# Altium PCB BW1097.PcbDoc (part 1 of 7) (continued)
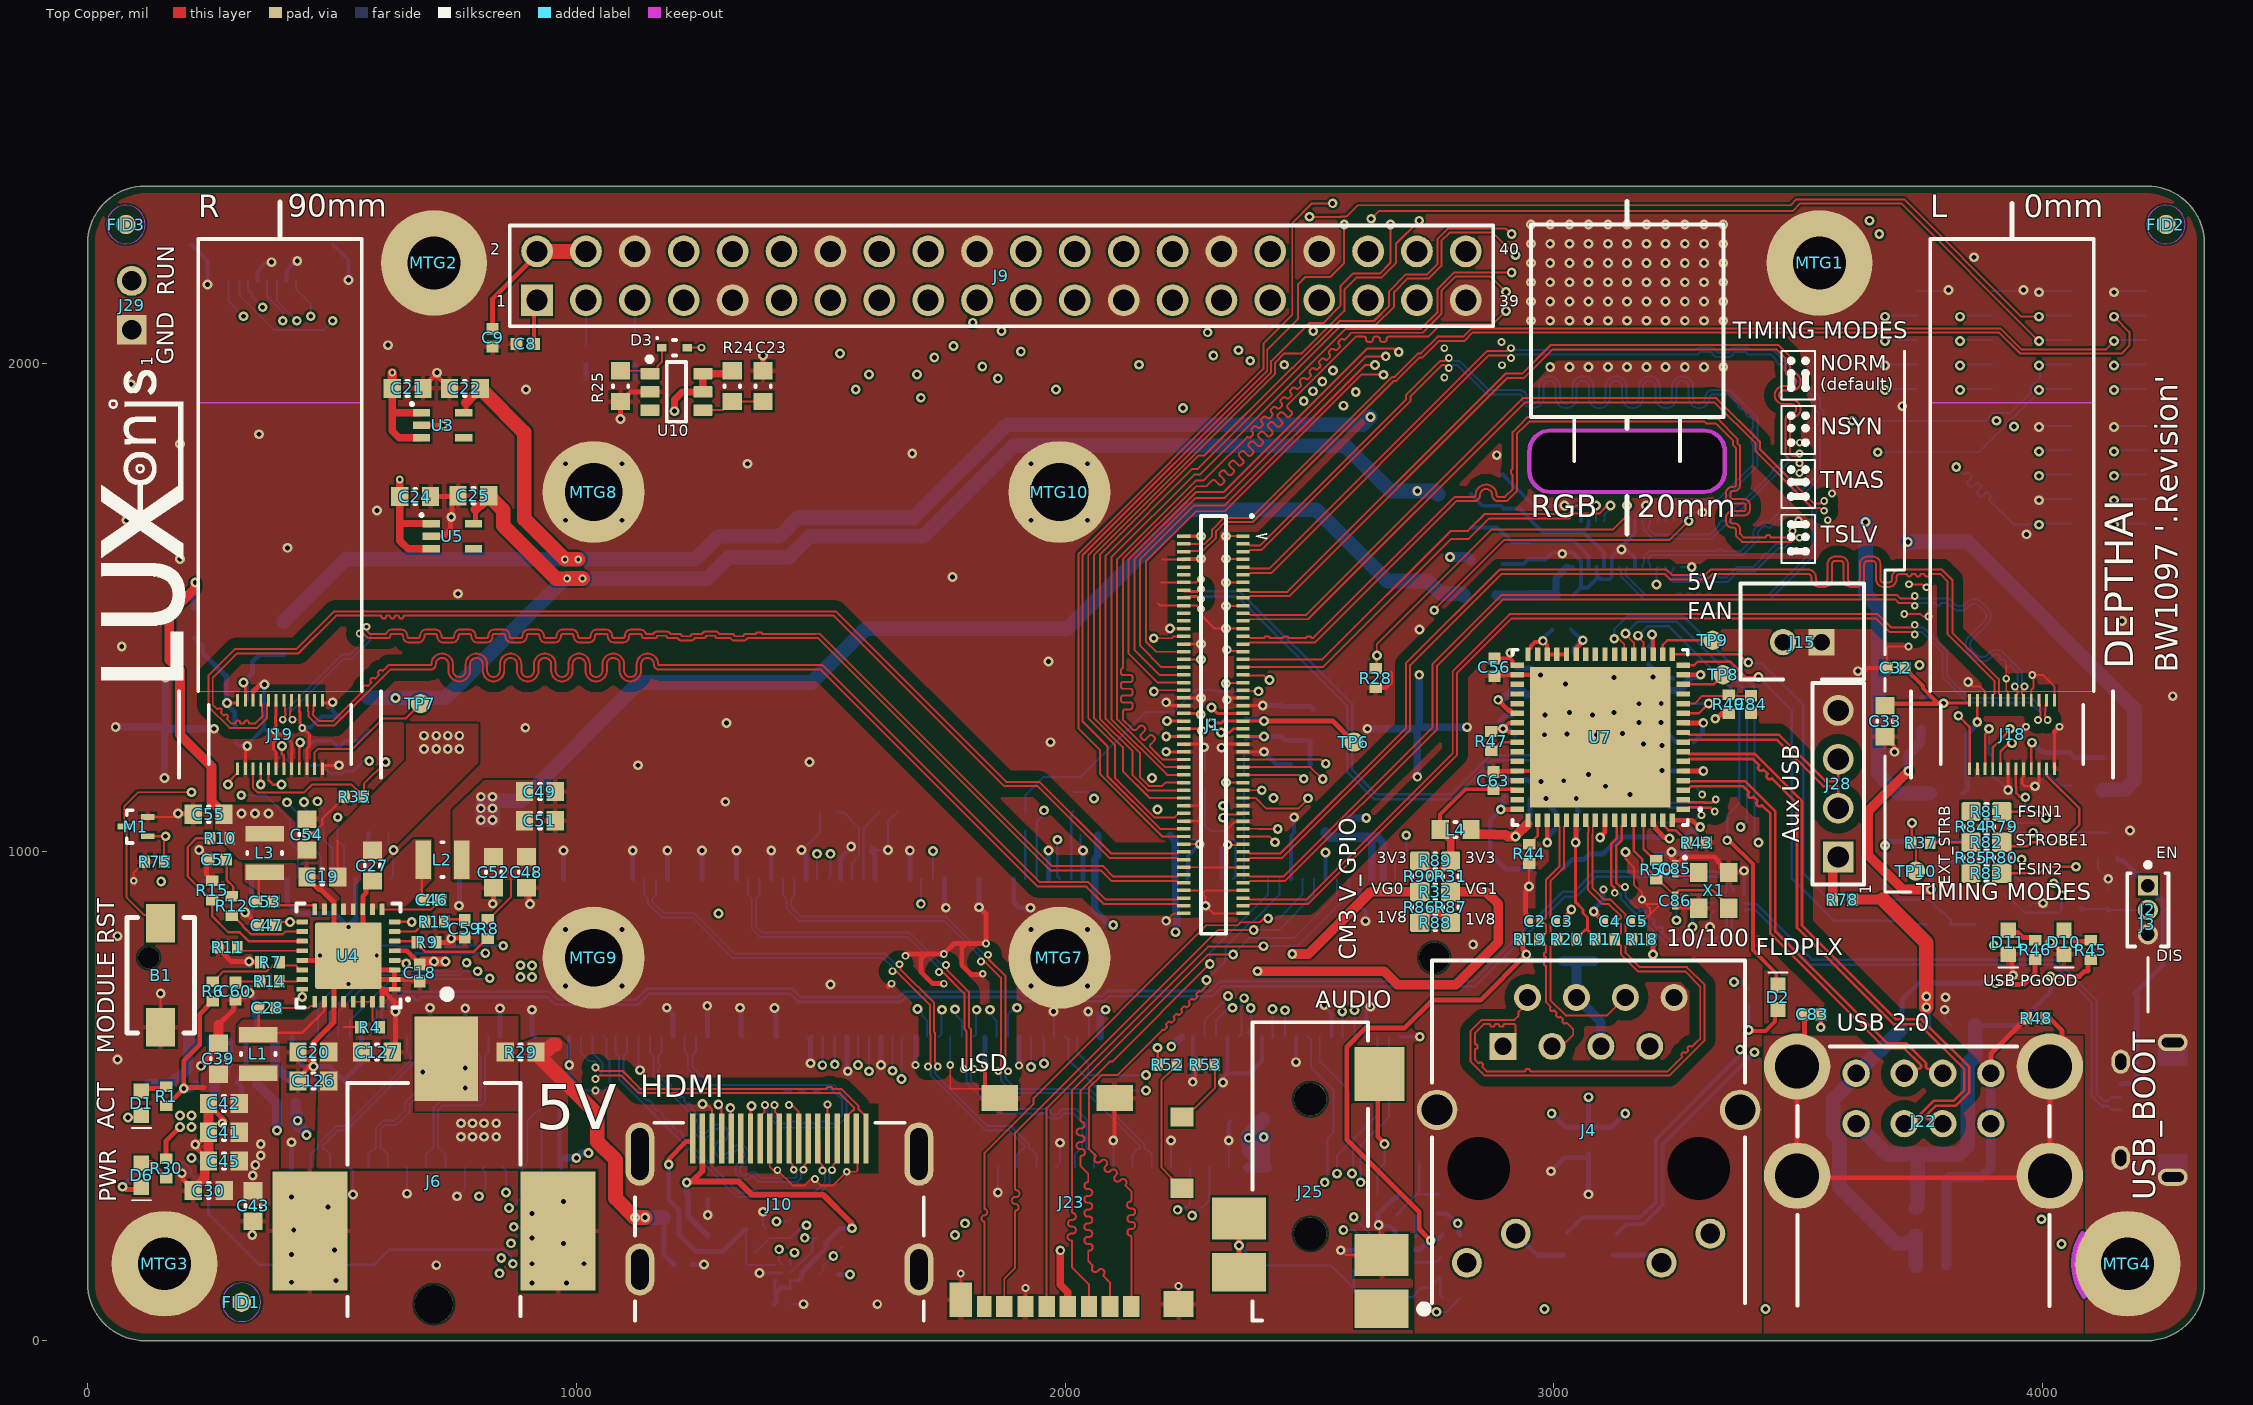
[diagram p0: Top Copper view]
## Components (designator, comment, footprint, x,y, rotation, side; value= is the part's Value field where it differs from the comment) (continued)
C82 "22uF 0603" CAPC0603(1608)100_N 3771.65,330.71 r0 bottom locked
C83 "0.1uF 0402" CAPC0402(1005)70_N 3528.04,667.53 r180 top locked
C84 "0.1uF 0402" CAPC0402(1005)70_N 3402.82,1301.65 r90 top locked
C85 "33pF 0201" CAPC0201(0603)33_L 3248.03,965.75 r270 top locked
C86 "33pF 0201" CAPC0201(0603)33_L 3248.03,900.39 r90 top locked
C87 "4.7uF 0603" CAPC0603(1608)100_N 2373.03,452.66 r0 bottom locked
C88 "4.7uF 0603" CAPC0603(1608)100_N 2501.12,1040.47 r0 bottom locked
C89 "22uF 0603" CAPC0603(1608)100_N 505.52,517.72 r0 bottom locked
C90 "22uF 0603" CAPC0603(1608)100_N 316.08,446.85 r270 bottom locked
C91 "22uF 0603" CAPC0603(1608)100_N 255.91,446.85 r270 bottom locked
C92 "22uF 0603" CAPC0603(1608)100_N 118.11,486.06 r270 bottom locked
C93 "47UF 0805" CAPC0805(2012)145_N 2638.91,88.58 r0 bottom locked
C94 "0.1uF 0402" CAPC0402(1005)70_N 2790.06,86.61 r180 bottom locked
C95 "0.1uF 0402" CAPC0402(1005)70_N 2790.06,216.54 r180 bottom locked
C96 "47UF 0805" CAPC0805(2012)145_N 2688.98,362.2 r0 bottom locked
C97 "0.1uF 0402" CAPC0402(1005)70_N 2700.79,299.21 r0 bottom locked
C126 "22uF 0603" CAPC0603(1608)100_N 462.04,531.5 r180 top locked
C127 "22uF 0603" CAPC0603(1608)100_N 592.06,590.5 r0 top locked
D1 "GREEN 0603" SML_D1xx8W 110.24,486.22 r90 top locked
D2 "GREEN 0603" SML_D1xx8W 3458.22,702.26 r270 top locked
D3 "BAS16XV2T1G" BAS16XV2T1G 1200.79,2031.5 r0 top
D6 "RED 0603" SML_D1xx8W 110.24,338.58 r90 top locked
D10 "GREEN 0603" SML_D1xx8W 4043.31,814.96 r90 top
D11 "GREEN 0603" SML_D1xx8W 3929.13,814.96 r90 top locked
FB1 "600R/100MHz" 2508056017Y2 2796.46,1731.93 r0 bottom locked
FB2 "600R/100MHz" 2508056017Y2 2830.71,1629.92 r90 bottom locked
FB3 "600R/100MHz" 2508056017Y2 2848.04,1525.42 r0 bottom locked
FB4 "600R/100MHz" 2508056017Y2 4123.24,1159.29 r90 bottom locked
FB5 "600R/100MHz" 2508056017Y2 578.74,1281.81 r270 bottom locked
FB6 "600R/100MHz" 2508056017Y2 3751.97,1283.46 r90 bottom locked
FB7 "600R/100MHz" 2508056017Y2 218.7,1470.93 r270 bottom locked
FB8 "600R/100MHz" 2508056017Y2 3802.61,1119.71 r0 bottom locked
FB9 "600R/100MHz" 2508056017Y2 409.45,1437.27 r270 bottom locked
FID1 "FIDUCIAL_ROUND_1MM" FIDUCIAL_ROUND_1MM 314.96,78.74 r90 top locked
FID2 "FIDUCIAL_ROUND_1MM" FIDUCIAL_ROUND_1MM 4251.97,2283.46 r90 top locked
FID3 "FIDUCIAL_ROUND_1MM" FIDUCIAL_ROUND_1MM 78.74,2283.46 r90 top locked
FID4 "FIDUCIAL_ROUND_1MM" FIDUCIAL_ROUND_1MM 3937.01,78.74 r90 bottom locked
FID5 "FIDUCIAL_ROUND_1MM" FIDUCIAL_ROUND_1MM 78.74,2283.46 r90 bottom locked
FID6 "FIDUCIAL_ROUND_1MM" FIDUCIAL_ROUND_1MM 4251.97,2283.46 r90 bottom locked
J1 "DF40HC(3.0)-100DS-0.4V_BW1099G2 Receptacle" DF40HC-3.0-100DS-0.4V_minpad 2303.15,1259.84 r0 top locked
J2 "1.27MM PTH" GRPB031VWVN-RC 4214.99,881.2 r270 top locked
J3 "1.27mm hdr shunt" M50-1900005 4214.99,851.87 r270 top locked
J4 "J0011D01BNL" J0011D01BNL 3070.87,430.81 r180 top locked
J5 "20021121-00010T1LF" 20021121-00010T1LF 4133.86,2047.24 r90 bottom
J6 "PJ-036AH-SMT-TR" PJ-036AH-SMT 708.66,325.79 r90 top locked
J7 "20021121-00010T1LF" 20021121-00010T1LF 3818.9,2047.24 r90 bottom
J8 "20021121-00010T1LF" 20021121-00010T1LF 4133.86,1771.65 r90 bottom
J9 "HDR_RaspberryPI_40pin" 61304021121 1869.68,2178.35 r0 top locked
J10 "HDMI 685119134923" 685119134923 1415.35,277.56 r180 top locked
J11 "24-5804-030-000-829+" A12N02A-201_MatedModule 3149.61,1629.92 r180 bottom locked
J12 "FPC 0.50MM" 68710814522 357.67,2269.55 r0 bottom locked
J13 "SFW15R-2STE1LF Top Contact" SFW15R-2STE1LF 2137.8,334.65 r180 bottom locked
J14 "SFW15R-2STE1LF Top Contact" SFW15R-2STE1LF 692.91,334.65 r180 bottom locked
J15 "B2B-PH-K-S(LF)(SN)" B2B-PH-K-S(LF)(SN) 3507.87,1450.79 r0 top locked
J18 "BBR43-24KB533 for camera module TG161B-201" TG161B-201_HD 3937.01,1240.16 r0 top locked
J19 "BBR43-24KB533 for camera module TG161B-201" TG161B-201_HD 393.7,1240.16 r0 top locked
J21 "Micro-B USB 2.0" 10118194-0001LF 4212.6,472.44 r270 bottom locked
J22 "USB-A, Stacked USB 2.0" 61400826021 3755.91,267.32 r0 top locked
J23 "uSD push/pull" 104031-0811 2012.7,282.97 r0 top locked
J24 "CM3/CM3Lite/CM1 IO Connector" 1473005-4 1440.09,938.82 r90 bottom locked
J25 "SJ-43515RS-SMT" SJ-43515RS-SMT 2501.57,346.46 r90 top locked
J28 "HDR_1x4 Vert 0.100\"" 61300411121 3581.53,1139.42 r90 top locked
J29 "68000-102HLF" 68000-102HLF 90.55,2118.11 r90 top locked
L1 "1uH, 3.2A, 20%" DFE252012P-1R0M=P2 349.31,586.56 r270 top locked
L2 "1uH, 3.2A, 20%" DFE252012P-1R0M=P2 726.12,984.25 r0 top locked
L3 "1uH, 3.2A, 20%" DFE252012P-1R0M=P2 362.31,997.74 r90 top locked
L4 "120R/100MHz" BLM18PG121SN1D_N 2798.62,1045.63 r0 top locked
L5 "120R/100MHz" BLM18PG121SN1D_N 2986.22,964.96 r0 bottom locked
M1 "RE1C002UNTCL" RE1C002UNTCL 99.13,1051.72 r90 top locked
MTG1 "MOUNTING_HOLE_M2.5" MOUNTING_HOLE_M2.5 3543.31,2204.72 r0 top locked
MTG2 "MOUNTING_HOLE_M2.5" MOUNTING_HOLE_M2.5 708.66,2204.72 r0 top locked
MTG3 "MOUNTING_HOLE_M2.5" MOUNTING_HOLE_M2.5 157.48,157.48 r0 top
MTG4 "MOUNTING_HOLE_M2.5" MOUNTING_HOLE_M2.5 4173.23,157.48 r0 top
MTG7 "M2, 3MM steel spacer on M2.5 mounting pad" 9774030243R 1988.19,783.46 r45 top locked
MTG8 "M2, 3MM steel spacer on M2.5 mounting pad" 9774030243R 1035.43,1736.22 r45 top locked
MTG9 "M2, 3MM steel spacer on M2.5 mounting pad" 9774030243R 1035.43,783.46 r45 top locked
MTG10 "M2, 3MM steel spacer on M2.5 mounting pad" 9774030243R 1988.19,1736.22 r45 top locked
Q1 "DMG1012T-7" DMG1012T-7 4058.84,910.54 r90 bottom locked
Q2 "DMG1012T-7" DMG1012T-7 3946.65,911.4 r180 bottom locked
Q3 "DMG1012T-7" DMG1012T-7 1516.86,210.43 r180 bottom locked
Q4 "DMG1012T-7" DMG1012T-7 1366.86,204.72 r270 bottom locked
Q5 "RE1C002UNTCL" RE1C002UNTCL 140.12,344.15 r270 bottom locked
Q6 "DMG1012T-7" DMG1012T-7 4132.95,1012.79 r90 bottom locked
R1 "470R 0402" RESC0402(1005)_N 161.42,500 r270 top locked
R2 "47K 0402" RESC0402(1005)_N 4132.95,902.54 r270 bottom locked
R3 "100K 0402" RESC0402(1005)_N 3893.7,980.71 r180 bottom
R4 "10K 0402" RESC0402(1005)_N 577.7,641.61 r180 top locked
R5 "332R 0402" RESC0402(1005)_N 3398.43,702.26 r90 bottom locked
R6 "45.3K 0402" RESC0402(1005)_N 256.37,714.42 r270 top locked
R7 "10K 0402" RESC0402(1005)_N 373.43,774.34 r0 top locked
R8 "10K 0402" RESC0402(1005)_N 818.9,842.52 r90 top locked
R9 "13.3K 0402" RESC0402(1005)_N 693.76,814.84 r180 top locked
R10 "20K 0402" RESC0402(1005)_N 271.04,1028.06 r0 top locked
R11 "24.9K 0402" RESC0402(1005)_N 286.6,804.69 r0 top locked
R12 "33K 0402" RESC0402(1005)_N 295.47,889.37 r270 top locked
R13 "56K 0402" RESC0402(1005)_N 710.17,856.77 r180 top locked
R14 "56K 0402" RESC0402(1005)_N 372.79,734.97 r0 top locked
R15 "10K 0402" RESC0402(1005)_N 255.39,921.26 r270 top locked
R16 "332R 0402" RESC0402(1005)_N 3019.56,194.95 r270 bottom locked
R17 "49.9R 0402" RESC0402(1005)_N 3104.41,821.21 r180 top locked
R18 "49.9R 0402" RESC0402(1005)_N 3179.44,821.21 r0 top locked
R19 "49.9R 0402" RESC0402(1005)_N 2950.71,821.1 r180 top locked
R20 "49.9R 0402" RESC0402(1005)_N 3026.5,821.1 r0 top locked
R21 "10R 0402" RESC0402(1005)_N 2999.35,776.69 r180 bottom locked
R22 "0R 0603" RESC0603(1608)_N 3070.87,405.71 r270 bottom locked
R23 "332R 0402" RESC0402(1005)_N 3120.95,194.95 r270 bottom locked
R24 "10K 0603" RESC0603(1608)_N 1318.9,1952.76 r90 top
R25 "10K 0603" RESC0603(1608)_N 1090.55,1952.76 r90 top
R26 "47K 0402" RESC0402(1005)_N 1516.86,135.3 r0 bottom
R27 "100K 0402" RESC0402(1005)_N 1437.73,230.12 r90 bottom
R28 "10K 0402" RESC0402(1005)_N 2635.42,1355.53 r270 top locked
R29 "0R 0603" RESC0603(1608)_N 885.83,590.55 r180 top
R30 "1K 0402" RESC0402(1005)_N 161.42,352.36 r90 top locked
R31 "0R 0603" RESC0603(1608)_N 2788.52,949.92 r90 top
R32 "0R 0603" RESC0603(1608)_N 2757.02,918.42 r180 top
R33 "10K 0402" RESC0402(1005)_N 3893.7,1177.78 r270 bottom locked
R34 "0R 0402" RESC0402(1005)_N 3948.26,1085.25 r180 bottom locked
R35 "10K 0402" RESC0402(1005)_N 545.57,1112.74 r180 top locked
R36 "0R 0402" RESC0402(1005)_N 437.01,1177.17 r0 bottom locked
R37 "10K 0402" RESC0402(1005)_N 3750.33,1018.3 r0 top locked
R38 "47K 0402" RESC0402(1005)_N 3893.7,1020.92 r0 bottom locked
R39 "47K 0402" RESC0402(1005)_N 4214.99,702.26 r180 bottom locked
R40 "10K 0402" RESC0402(1005)_N 3280.43,1283.68 r90 bottom locked
R41 "0R 0402" RESC0402(1005)_N 2370.08,1251.97 r90 bottom
R42 "10K 0402" RESC0402(1005)_N 2482.42,1179.07 r0 bottom
R43 "12K 0402" RESC0402(1005)_N 3292.36,1018.98 r180 top locked
R44 "12.4K 0402" RESC0402(1005)_N 2949.35,996.01 r90 top locked
R45 "470R 0402" RESC0402(1005)_N 4098.43,799.21 r270 top locked
R46 "470R 0402" RESC0402(1005)_N 3984.25,799.48 r270 top locked
R47 "10K 0402" RESC0402(1005)_N 2871.65,1226.6 r270 top locked
R48 "332R 0402" RESC0402(1005)_N 3986.46,659.82 r0 top locked
R49 "10K 0402" RESC0402(1005)_N 3357.63,1301.86 r90 top locked
R50 "1M 0402" RESC0402(1005)_N 3208.82,963.45 r270 top locked
R51 "10K 0402" RESC0402(1005)_N 3015.35,1454.97 r180 bottom locked
R52 "0R 0402" RESC0402(1005)_N 2208.8,564.33 r180 top
R53 "0R 0402" RESC0402(1005)_N 2286.51,564.33 r0 top
R54 "1.8K 0402" RESC0402(1005)_N 1019.69,2015.75 r270 bottom locked
R55 "1.8K 0402" RESC0402(1005)_N 1119.68,2016.73 r270 bottom locked
R56 "1.8K 0402" RESC0402(1005)_N 945.6,433.07 r0 bottom locked
R57 "1.8K 0402" RESC0402(1005)_N 951.43,478.03 r0 bottom locked
R58 "0R 0402" RESC0402(1005)_N 2579.72,1049.8 r90 bottom
R59 "100K 0402" RESC0402(1005)_N 2285.69,1146.95 r270 bottom locked
R60 "100K 0402" RESC0402(1005)_N 2366.14,1137.8 r270 bottom
R61 "100K 0402" RESC0402(1005)_N 1516.47,1081.69 r0 bottom locked
R62 "100K 0402" RESC0402(1005)_N 1638.52,1081.69 r180 bottom locked
R63 "0R 0402" RESC0402(1005)_N 425.2,507.87 r90 bottom locked
R64 "1K 0402" RESC0402(1005)_N 596.22,1038.1 r180 bottom locked
R65 "0R 0402" RESC0402(1005)_N 326.77,527.56 r180 bottom locked
R66 "0R 0402" RESC0402(1005)_N 241.08,526.41 r0 bottom locked
R67 "0R 0402" RESC0402(1005)_N 169.29,509.06 r90 bottom locked
R68 "220R 0402" RESC0402(1005)_N 2767.72,149.61 r270 bottom locked
R69 "1.8K 0402" RESC0402(1005)_N 2590.55,165.35 r270 bottom locked
R70 "100R 0402" RESC0402(1005)_N 2728.35,86.61 r90 bottom locked
R71 "220R 0402" RESC0402(1005)_N 2697.83,255.91 r180 bottom locked
R72 "100R 0402" RESC0402(1005)_N 2763.78,279.53 r90 bottom locked
R73 "1.8K 0402" RESC0402(1005)_N 2638.91,279.53 r90 bottom locked
R74 "0R 0402" RESC0402(1005)_N 2016.4,1102.58 r270 bottom
R75 "10K 0402" RESC0402(1005)_N 137.12,980 r0 top locked
R76 "0R 0402" RESC0402(1005)_N 1918.44,1061.66 r270 bottom
R77 "10K 0402" RESC0402(1005)_N 236.94,337.85 r90 bottom locked
R78 "0R 0402" RESC0402(1005)_N 3590.16,902.52 r0 top locked
R79 "0R 0603" RESC0603(1608)_N 3916.2,1050.98 r270 top
R80 "0R 0603" RESC0603(1608)_N 3916.2,987.99 r270 top
R81 "0R 0603" RESC0603(1608)_N 3884.71,1082.48 r0 top
R82 "0R 0603" RESC0603(1608)_N 3884.71,1019.49 r0 top
R83 "0R 0603" RESC0603(1608)_N 3884.71,956.5 r0 top
R84 "0R 0603" RESC0603(1608)_N 3853.21,1050.98 r270 top
R85 "0R 0603" RESC0603(1608)_N 3853.21,987.99 r270 top
R86 "0R 0603" RESC0603(1608)_N 2725.53,886.92 r90 top
R87 "0R 0603" RESC0603(1608)_N 2788.52,886.92 r90 top
R88 "0R 0603" RESC0603(1608)_N 2757.02,855.43 r180 top
R89 "0R 0603" RESC0603(1608)_N 2757.02,981.41 r180 top
R90 "0R 0603" RESC0603(1608)_N 2725.53,949.92 r90 top
TP6 "CurrentFootprint" TP100_200_NS 2590.76,1224.63 r90 top locked
TP7 "CurrentFootprint" TP100_200_NS 681.1,1303.15 r90 top
TP8 "CurrentFootprint" TP100_200_NS 3345.82,1362.42 r90 top locked
TP9 "CurrentFootprint" TP100_200_NS 3324.8,1432.93 r90 top locked
TP10 "CurrentFootprint" TP100_200_NS 3740.16,960.63 r180 top
U1 "AP2331W-7" AP2331W-7 1221.59,251.97 r270 bottom
U2 "ESD5384NCTBG" ESD5384NCTBG 1421.98,138.78 r90 bottom locked
U3 "TLV70012DCK" TLV70012DCK 726.64,1872.81 r270 top locked
U4 "TPS65266RHBT" TPS65266RHBT 533.67,787.88 r180 top
U5 "TLV70028DCK" TLV70028DCK 746.25,1645.67 r270 top locked
U6 "USB 2.0 Switch" FSUSB42UMX 3358.64,895.82 r270 bottom locked
U7 "LAN9514-JZX" LAN951x-JZX 3094.49,1234.47 r180 top locked
U8 "MIC2026-1YM" MIC2026-1YM 3786.66,748.33 r270 bottom locked
U9 "NC7WZ16P6X" NC7WZ16P6X 2678.68,186.23 r0 bottom locked
U10 "PMS150C-U06" PMS150C-U06 1204.72,1940.94 r0 top
X1 "25MHz Xtal" 8Z-25.000MAAJ-T 3326.77,921.26 r270 top locked

## Footprints (in the part's own frame and the unit in brackets; to place one, negate y for a bottom-side part, rotate by r counter-clockwise, add the part's x,y. Pads: shape width x height; smd on the part's side, far side on the other; paste and mask are expansions set on the pad)
8Z-25.000MAAJ-T [mm] "2.5 x 2.0 x 0.5mm 8Z series XTAL"
  rect 1x0.9 smd: 1(-0.925,-0.775) 2(0.925,-0.775) 3(0.925,0.775) 4(-0.925,0.775)
  silkscreen extent -1.73,-1.53 -1.67,-1.47, body extent -1.25,-1 1.25,1, height 0.55
68000-102HLF [mm] "THD, 2-Leads, Body 5.08x2.41mm, Pitch 2.54mm"
  rect 1.55x1.55 hole 1.02: 1(-1.27,0)
  round 1.55 hole 1.02: 2(1.27,0)
  body extent -2.54,-1.2 2.54,1.2, height 8.38
104031-0811 [mm] "10 (8 + 2) Position Card Connector Secure Digital - microSD™ Surface Mount, Right Angle Gold"
  rect 0.85x1.1 smd: 1(3.113,-5.412) 3(0.913,-5.412) 4(-0.188,-5.412) 5(-1.288,-5.412) 6(-2.387,-5.412) 7(-3.487,-5.412)
  rect 0.875x1.1 smd: 2(2.013,-5.412)
  rect 0.75x1.1 smd: 8(-4.537,-5.412)
  rect 1.2x1 smd: 9(5.748,0.738) 10(5.748,4.438)
  rect 1.9x1.35 smd: 11(2.248,5.413) 12(-3.722,5.413)
  rect 1.17x1.8 smd: 13(-5.747,-5.062)
  rect 1.55x1.35 smd: 14(5.573,-5.287)
  body extent -5.95,-5.65 6,5.75, height 1.44
1473005-4 [mm] "DDR2 SODIMM SOCKET 200P 5"
  rect 2.05x0.38 smd: 1(-8.05,31.65) 1(-8.05,31.65) 2(0.15,31.35) 2(0.15,31.35) 3(-8.05,31.05) 4(0.15,30.75) 5(-8.05,30.45) 6(0.15,30.15) 7(-8.05,29.85) 8(0.15,29.55) 9(-8.05,29.25) 10(0.15,28.95) 11(-8.05,28.65) 12(0.15,28.35) 13(-8.05,28.05) 14(0.15,27.75) 15(-8.05,27.45) 16(0.15,27.15) 17(-8.05,26.85) 18(0.15,26.55) 19(-8.05,26.25) 20(0.15,25.95) 21(-8.05,25.65) 22(0.15,25.35) 23(-8.05,25.05) 24(0.15,24.75) 25(-8.05,24.45) 26(0.15,24.15) 27(-8.05,23.85) 28(0.15,23.55) 29(-8.05,23.25) 30(0.15,22.95) 31(-8.05,22.65) 32(0.15,22.35) 33(-8.05,22.05) 34(0.15,21.75) 35(-8.05,21.45) 36(0.15,21.15) 37(-8.05,20.85) 38(0.15,20.55) 39(-8.05,20.25) 40(0.15,19.95) 41(-8.05,16.05) 42(0.15,15.75) 43(-8.05,15.45) 44(0.15,15.15) 45(-8.05,14.85) 46(0.15,14.55) 47(-8.05,14.25) 48(0.15,13.95) 49(-8.05,13.65) 50(0.15,13.35) 51(-8.05,13.05) 52(0.15,12.75) 53(-8.05,12.45) 54(0.15,12.15) 55(-8.05,11.85) 56(0.15,11.55) 57(-8.05,11.25) 58(0.15,10.95) 59(-8.05,10.65) 60(0.15,10.35) 61(-8.05,10.05) 62(0.15,9.75) 63(-8.05,9.45) 64(0.15,9.15) 65(-8.05,8.85) 66(0.15,8.55) 67(-8.05,8.25) 68(0.15,7.95) 69(-8.05,7.65) 70(0.15,7.35) 71(-8.05,7.05) 72(0.15,6.75) 73(-8.05,6.45) 74(0.15,6.15) 75(-8.05,5.85) 76(0.15,5.55) 77(-8.05,5.25) 78(0.15,4.95) 79(-8.05,4.65) 80(0.15,4.35) 81(-8.05,4.05) 82(0.15,3.75) 83(-8.05,3.45) 84(0.15,3.15) 85(-8.05,2.85) 86(0.15,2.55) 87(-8.05,2.25) 88(0.15,1.95) 89(-8.05,1.65) 90(0.15,1.35) 91(-8.05,1.05) 92(0.15,0.75) 93(-8.05,0.45) 94(0.15,0.15) 95(-8.05,-0.15) 96(0.15,-0.45) 97(-8.05,-0.75) 98(0.15,-1.05) 99(-8.05,-1.35) 100(0.15,-1.65) 101(-8.05,-1.95) 102(0.15,-2.25) 103(-8.05,-2.55) 104(0.15,-2.85) 105(-8.05,-3.15) 106(0.15,-3.45) 107(-8.05,-3.75) 108(0.15,-4.05) 109(-8.05,-4.35) 110(0.15,-4.65) 111(-8.05,-4.95) 112(0.15,-5.25) 113(-8.05,-5.55) 114(0.15,-5.85) 115(-8.05,-6.15) 116(0.15,-6.45) 117(-8.05,-6.75) 118(0.15,-7.05) 119(-8.05,-7.35) 120(0.15,-7.65) 121(-8.05,-7.95) 122(0.15,-8.25) 123(-8.05,-8.55) 124(0.15,-8.85) 125(-8.05,-9.15) 126(0.15,-9.45) 127(-8.05,-9.75) 128(0.15,-10.05) 129(-8.05,-10.35) 130(0.15,-10.65) 131(-8.05,-10.95) 132(0.15,-11.25) 133(-8.05,-11.55) 134(0.15,-11.85) 135(-8.05,-12.15) 136(0.15,-12.45) 137(-8.05,-12.75) 138(0.15,-13.05) 139(-8.05,-13.35) 140(0.15,-13.65) 141(-8.05,-13.95) 142(0.15,-14.25) 143(-8.05,-14.55) 144(0.15,-14.85) 145(-8.05,-15.15) 146(0.15,-15.45) 147(-8.05,-15.75) 148(0.15,-16.05) 149(-8.05,-16.35) 150(0.15,-16.65) 151(-8.05,-16.95) 152(0.15,-17.25) 153(-8.05,-17.55) 154(0.15,-17.85) 155(-8.05,-18.15) 156(0.15,-18.45) 157(-8.05,-18.75) 158(0.15,-19.05) 159(-8.05,-19.35) 160(0.15,-19.65) 161(-8.05,-19.95) 162(0.15,-20.25) 163(-8.05,-20.55) 164(0.15,-20.85) 165(-8.05,-21.15) 166(0.15,-21.45) 167(-8.05,-21.75) 168(0.15,-22.05) 169(-8.05,-22.35) 170(0.15,-22.65) 171(-8.05,-22.95) 172(0.15,-23.25) 173(-8.05,-23.55) 174(0.15,-23.85) 175(-8.05,-24.15) 176(0.15,-24.45) 177(-8.05,-24.75) 178(0.15,-25.05) 179(-8.05,-25.35) 180(0.15,-25.65) 181(-8.05,-25.95) 182(0.15,-26.25) 183(-8.05,-26.55) 184(0.15,-26.85) 185(-8.05,-27.15) 186(0.15,-27.45) 187(-8.05,-27.75) 188(0.15,-28.05) 189(-8.05,-28.35) 190(0.15,-28.65) 191(-8.05,-28.95) 192(0.15,-29.25) 193(-8.05,-29.55) 194(0.15,-29.85) 195(-8.05,-30.15) 196(0.15,-30.45) 197(-8.05,-30.75) 198(0.15,-31.05) 199(-8.05,-31.35) 200(0.15,-31.65)
  rect 4.6x4.5 smd: MP1(8.05,32.55) MP2(8.05,-32.55)
  body extent -8.95,-35.75 27.75,35.75, height 5.2
10118194-0001LF [mm] "FCI-10118194-0001LF-5_V SMD, 5-Leads, Body 7x5mm, Pitch 0.65 mm"
  rect 0.4x1.35 smd: 1(-1.3,1.35) 2(-0.65,1.35) 3(0,1.35) 4(0.65,1.35) 5(1.3,1.35)
  oval 1.25x0.95 hole 0.55 slot 0.85 at 0 deg: 6(-2.5,1.35) 7(2.5,1.35)
  oval 0.9x1.55 hole 0.5 slot 1.15 at 90 deg: 8(-3.5,-1.35) 9(3.5,-1.35)
  rect 1.5x1.55 smd: 10(-1,-1.35) 11(1,-1.35)
  Top Copper region: 2.3,-2.125 2.3,-0.575 3.5,-0.575 3.5,-2.125
  Top Copper region: -3.5,-2.125 -3.5,-0.575 -2.3,-0.575 -2.3,-2.125
  silkscreen extent -3.5,-0.13 3.5,2.6, body extent -4.03,-4.03 4.02,1.55, height 2.72
20021121-00010T1LF [mm] "Connector Header Surface Mount 10 position 0.050\" (1.27mm)   Contact length: 0.120\" (3.05mm)"
  rect 0.76x2.4 smd: 1(-2.54,-1.95) 2(-2.54,1.95) 3(-1.27,-1.95) 4(-1.27,1.95) 5(0,-1.95) 6(0,1.95) 7(1.27,-1.95) 8(1.27,1.95) 9(2.54,-1.95) 10(2.54,1.95)
  body extent -3.18,-2.75 3.17,2.75, height 4.55
2508056017Y2 [mm] "2508056017Y2 Chip Inductor, 2-Leads, Body 2.00x1.25mm"
  rect 1.3x1.5 smd: 1(-0.95,0) 2(0.95,0)
  body extent -1.1,-0.72 1.1,0.72, height 1.1
9774030243R [mm] "STANDOFF_M2X0.4_3MM with no pad on bottom of PCB"
  round 5.3 / inner round 2.7 / far side round 2.7 hole 3 mask+0.05: 1(0,0)
  body extent -2.17,-2.17 2.18,2.17, height 3.05
61300411121 [mm] "Pin Header, pitch 2.54 mm, THT, Vertical, single row, 4p"
  rect 1.6x1.6 hole 1.1: 1(-3.81,0)
  round 1.6 hole 1.1: 2(-1.27,0) 3(1.27,0) 4(3.81,0)
  silkscreen extent -5.23,-1.35 5.23,1.35, body extent -5.08,-1.27 5.08,1.27, height 8.57
61304021121 [mm] "Pin Header, pitch 2.54 mm, THT, Vertical, dual row, 40p"
  rect 1.65x1.65 hole 1.1: 1(-24.13,-1.27)
  round 1.65 hole 1.1: 2(-24.13,1.27) 3(-21.59,-1.27) 4(-21.59,1.27) 5(-19.05,-1.27) 6(-19.05,1.27) 7(-16.51,-1.27) 8(-16.51,1.27) 9(-13.97,-1.27) 10(-13.97,1.27) 11(-11.43,-1.27) 12(-11.43,1.27) 13(-8.89,-1.27) 14(-8.89,1.27) 15(-6.35,-1.27) 16(-6.35,1.27) 17(-3.81,-1.27) 18(-3.81,1.27) 19(-1.27,-1.27) 20(-1.27,1.27) 21(1.27,-1.27) 22(1.27,1.27) 23(3.81,-1.27) 24(3.81,1.27) 25(6.35,-1.27) 26(6.35,1.27) 27(8.89,-1.27) 28(8.89,1.27) 29(11.43,-1.27) 30(11.43,1.27) 31(13.97,-1.27) 32(13.97,1.27) 33(16.51,-1.27) 34(16.51,1.27) 35(19.05,-1.27) 36(19.05,1.27) 37(21.59,-1.27) 38(21.59,1.27) 39(24.13,-1.27) 40(24.13,1.27)
  silkscreen extent -25.55,-2.62 25.55,2.62, body extent -25.4,-2.54 25.4,2.54, height 8.59
61400826021 [mm] "USB 2.0 Type A Horizontal Dual Stacked"
  round 1.42 hole 0.92: 1(-3.5,7.11) 2(-1,7.11) 3(1,7.11) 4(3.5,7.11) 5(-3.5,4.49) 6(-1,4.49) 7(1,4.49) 8(3.5,4.49)
  round 3.45 hole 2.3: Shell(-6.57,1.78) Shell(-6.57,7.46) Shell(6.57,1.78) Shell(6.57,7.46)
  silkscreen extent -6.55,-5 6.55,8.5, body extent -7.91,-8.5 7.91,8.65, height 15.93
68710814522 [mm] "ZIF Connectors, Horizontal, Bottom Contact, pitch 0.5mm, 8p"
  rect 0.3x1.2 smd: 1(-1.75,2.56) 2(-1.25,2.56) 3(-0.75,2.56) 4(-0.25,2.56) 5(0.25,2.56) 6(0.75,2.56) 7(1.25,2.56) 8(1.75,2.56)
  rect 2.7x3 smd: MP1(-3.68,0.7) MP2(3.68,0.7)
  body extent -5.2,-2.15 5.2,2.95, height 2.1
685119134923 [mm] "HDMI  Receptacle Connector 19 Position Surface Mount, Right Angle; Through Hole"
  rect 0.28x2.6 smd mask+0.05: 1(-4.5,-3.45) 2(-4,-3.45) 3(-3.5,-3.45) 4(-3,-3.45) 5(-2.5,-3.45) 6(-2,-3.45) 7(-1.5,-3.45) 8(-1,-3.45) 9(-0.5,-3.45) 10(0,-3.45) 11(0.5,-3.45) 12(1,-3.45) 13(1.5,-3.45) 14(2,-3.45) 15(2.5,-3.45) 16(3,-3.45) 17(3.5,-3.45) 18(4,-3.45) 19(4.5,-3.45)
  oval 1.5x3.3 hole 0.9 slot 2.7 at 90 deg: 20(7.25,-2.65) 22(-7.25,-2.65)
  oval 1.5x2.7 hole 0.9 slot 2.1 at 90 deg: 21(7.25,3.35) 23(-7.25,3.35)
  silkscreen extent -7.5,-4.27 7.5,6, body extent -7.5,-4.25 7.5,7.9, height 6.25
A12N02A-201_MatedModule [mm] "connector: 24-5804-030-000-829+ (1.4mm height w/ module mated)"
  rect 0.22x0.5 smd mask+0.05: 1(-2.8,-1.2) 2(-2.4,-1.2) 3(-2,-1.2) 4(-1.6,-1.2) 5(-1.2,-1.2) 6(-0.8,-1.2) 7(-0.4,-1.2) 8(0,-1.2) 9(0.4,-1.2) 10(0.8,-1.2) 11(1.2,-1.2) 12(1.6,-1.2) 13(2,-1.2) 14(2.4,-1.2) 15(2.8,-1.2) 16(2.8,1.2) 17(2.4,1.2) 18(2,1.2) 19(1.6,1.2) 20(1.2,1.2) 21(0.8,1.2) 22(0.4,1.2) 23(0,1.2) 24(-0.4,1.2) 25(-0.8,1.2) 26(-1.2,1.2) 27(-1.6,1.2) 28(-2,1.2) 29(-2.4,1.2) 30(-2.8,1.2)
  Bottom Copper keep-out region: -4.999,16.599 4.999,16.599 4.999,6.601 -4.999,6.601
  KeepOutLayer board cut-out: -5,4.8 -4.924,5.183 -4.707,5.507 -4.383,5.724 -4,5.8 -4,5.8 4,5.8 4.383,5.724 4.707,5.507 4.924,5.183 5,4.8 5,4.8 5,3.8 4.924,3.417 4.707,3.093 4.383,2.876 4,2.8 4,2.8 -4,2.8 -4.383,2.876 -4.707,3.093 -4.924,3.417 -5,3.8 -5,3.8
  KeepOutLayer lines w0.2: 5.1,3.8 cw(c4,3.8) 4,2.7 0,2.7 -4,2.7 cw(c-4,3.8) -5.1,3.8 -5.1,4.8 cw(c-4,4.8) -4,5.9 4,5.9 cw(c4,4.8) 5.1,4.8 5.1,3.8
  silkscreen extent -4.5,-2 4.5,4.3, body extent -5,-5.71 5,16.6, height 6.18
AP2331W-7 [mm]
  rect 0.8x1 smd: 1(-0.95,-1.2) 2(0.95,-1.2) 3(0,1.2)
  silkscreen extent -1.55,-0.02 1.55,0.85, body extent -1.55,-0.9 1.55,0.85, height 1.4
B2B-PH-K-S(LF)(SN) [mm] "3.4mm pins, 6mm housing"
  rect 1.368x1.368 hole 0.86: P1(1,-0.55)
  round 1.368 hole 0.86: P2(-1,-0.55)
  silkscreen extent -3.2,-2.5 3.2,2.5, body extent -2.95,-2.25 2.95,2.25, height 6
BAS16XV2T1G [mm] "SOD, 2-Leads, Body 1.2x0.8mm"
  rect 0.48x0.4 smd: 1(-0.66,0) 2(0.66,0)
  silkscreen extent -0.95,-0.4 0.07,0.55, body extent -0.6,-0.4 0.6,0.4, height 0.7
BLM18PG121SN1D_N [mm] "Chip Inductor, 2-Leads, Body 1.60x0.80mm, IPC Medium Density"
  rect 0.9x1 smd: 1(-0.8,0) 2(0.8,0)
  silkscreen extent -0.05,-0.4 0.05,0.4, body extent -0.87,-0.48 0.88,0.47, height 1
CAPC0201(0603)33_L [mm] "Chip Capacitor, Body 0.6x0.3mm, Height 0.33mm, IPC High Density"
  rect 0.36x0.32 smd: 1(-0.28,0) 2(0.28,0)
  body extent -0.32,-0.17 0.32,0.17, height 0.33
CAPC0402(1005)60_N [mm] "Chip Capacitor, Body 1.0x0.5mm, Height 0.6mm, IPC Medium Density"
  rect 0.62x0.62 smd: 1(-0.45,0) 2(0.45,0)
  body extent -0.55,-0.3 0.55,0.3, height 0.6
CAPC0402(1005)70_N [mm] "Chip Capacitor, Body 1.0x0.5mm, Height 0.7mm, IPC Medium Density"
  rect 0.62x0.62 smd: 1(-0.45,0) 2(0.45,0)
  body extent -0.55,-0.3 0.55,0.3, height 0.7
CAPC0603(1608)100_N [mm] "Chip Capacitor, Body 1.6x0.8mm, Height 1.0mm, IPC Medium Density"
  rect 0.9x1 smd: 1(-0.8,0) 2(0.8,0)
  silkscreen extent -0.05,-0.4 0.05,0.4, body extent -0.87,-0.48 0.88,0.47, height 1
CAPC0805(2012)145_N [mm] "Chip Capacitor, Body 2.0x1.2mm, Height 1.45mm, IPC Medium Density"
  rect 1.15x1.45 smd: 1(-0.9,0) 2(0.9,0)
  silkscreen extent -0.05,-0.62 0.05,0.63, body extent -1.1,-0.72 1.1,0.73, height 1.45
DF40HC-3.0-100DS-0.4V_minpad [mm] "3.0MM MATED HEIGHT CONN HDR 100POS 0.4MM SMD GOLD"
  rect 0.7x0.18 smd: 1(1.54,9.8) 2(-1.54,9.8) 3(1.54,9.4) 4(-1.54,9.4) 5(1.54,9) 6(-1.54,9) 7(1.54,8.6) 8(-1.54,8.6) 9(1.54,8.2) 10(-1.54,8.2) 11(1.54,7.8) 12(-1.54,7.8) 13(1.54,7.4) 14(-1.54,7.4) 15(1.54,7) 16(-1.54,7) 17(1.54,6.6) 18(-1.54,6.6) 19(1.54,6.2) 20(-1.54,6.2) 21(1.54,5.8) 22(-1.54,5.8) 23(1.54,5.4) 24(-1.54,5.4) 25(1.54,5) 26(-1.54,5) 27(1.54,4.6) 28(-1.54,4.6) 29(1.54,4.2) 30(-1.54,4.2) 31(1.54,3.8) 32(-1.54,3.8) 33(1.54,3.4) 34(-1.54,3.4) 35(1.54,3) 36(-1.54,3) 37(1.54,2.6) 38(-1.54,2.6) 39(1.54,2.2) 40(-1.54,2.2) 41(1.54,1.8) 42(-1.54,1.8) 43(1.54,1.4) 44(-1.54,1.4) 45(1.54,1) 46(-1.54,1) 47(1.54,0.6) 48(-1.54,0.6) 49(1.54,0.2) 50(-1.54,0.2) 51(1.54,-0.2) 52(-1.54,-0.2) 53(1.54,-0.6) 54(-1.54,-0.6) 55(1.54,-1) 56(-1.54,-1) 57(1.54,-1.4) 58(-1.54,-1.4) 59(1.54,-1.8) 60(-1.54,-1.8) 61(1.54,-2.2) 62(-1.54,-2.2) 63(1.54,-2.6) 64(-1.54,-2.6) 65(1.54,-3) 66(-1.54,-3) 67(1.54,-3.4) 68(-1.54,-3.4) 69(1.54,-3.8) 70(-1.54,-3.8) 71(1.54,-4.2) 72(-1.54,-4.2) 73(1.54,-4.6) 74(-1.54,-4.6) 75(1.54,-5) 76(-1.54,-5) 77(1.54,-5.4) 78(-1.54,-5.4) 79(1.54,-5.8) 80(-1.54,-5.8) 81(1.54,-6.2) 82(-1.54,-6.2) 83(1.54,-6.6) 84(-1.54,-6.6) 85(1.54,-7) 86(-1.54,-7) 87(1.54,-7.4) 88(-1.54,-7.4) 89(1.54,-7.8) 90(-1.54,-7.8) 91(1.54,-8.2) 92(-1.54,-8.2) 93(1.54,-8.6) 94(-1.54,-8.6) 95(1.54,-9) 96(-1.54,-9) 97(1.54,-9.4) 98(-1.54,-9.4) 99(1.54,-9.8) 100(-1.54,-9.8)
  silkscreen extent -0.65,-10.85 2.75,10.88, body extent -1.69,-11.31 1.69,11.29, height 17.52
DFE252012P-1R0M=P2 [mm] "Chip Inductor, 2-Leads, Body 2.40x2.00mm, IPC High Density"
  rect 0.8x2 smd: 1(-1,0) 2(1,0)
  silkscreen extent -0.05,-0.9 0.05,0.9, body extent -1.25,-1.1 1.25,1.1, height 1.2
DMG1012T-7 [mm] "SOT523, 3-Leads, Body 1.6x0.8mm, Pitch 0.50mm"
  rect 0.51x0.4 smd: 1(-0.65,0.5) 2(-0.65,-0.5) 3(0.65,0)
  silkscreen extent -0.75,-0.8 0.4,1.35, body extent -0.4,-0.8 0.4,0.8, height 0.86
DTSM-32N-V [mm] "tactile button 160gf"
  rect 2x1.5 smd: 1(-2.7,0) 2(2.7,0)
  silkscreen extent -3.01,-1.76 3,1.75, body extent -3.65,-1.75 3.65,1.75, height 5
ESD5384NCTBG [mm] "9-WLCSP (1.14x1.14)"
  round 0.25 smd: A1(-0.4,0.4) A2(0,0.4) A3(0.4,0.4) B1(-0.4,0) B2(0,0) B3(0.4,0) C1(-0.4,-0.4) C2(0,-0.4) C3(0.4,-0.4)
  silkscreen extent -0.8,0.25 -0.25,0.8, body extent -0.6,-0.6 0.6,0.6, height 0.63
FIDUCIAL_ROUND_1MM [mm] "Round, 1mm dia"
  round 1 smd paste-1 mask+0.5: 1(0,0)
  Top Copper keep-out circle w0.025: c0,0 r1
FSUSB42UMX [mm] "USB Switch IC 1 Channel 10-UMLP (1.8x1.4)"
  rect 0.663x0.225 smd: 1(-0.519,0.2)
  rect 0.563x0.225 smd: 2(-0.569,-0.2) 6(0.569,-0.2) 7(0.569,0.2)
  rect 0.225x0.563 smd: 3(-0.4,-0.768) 4(0,-0.768) 5(0.4,-0.768) 8(0.4,0.768) 9(0,0.768) 10(-0.4,0.768)
  silkscreen extent -0.93,0.67 -0.87,0.73, body extent -0.7,-0.87 0.7,0.93, height 0.55
GRPB031VWVN-RC [mm] "Header, 3-Leads, Body 3.81x2.14mm, Pitch 1.27mm (SLIN-GRPB031VWVN-RC_V)"
  rect 1.05x1.05 hole 0.7: 1(-1.27,0)
  round 1.05 hole 0.7: 2(0,0) 3(1.27,0)
  silkscreen extent -2.47,-1.07 1.91,1.07, body extent -1.9,-1.07 1.91,1.07, height 4
J0011D01BNL [mm] "THD, 12-Leads, Body 21.59x16.26mm, Pitch 1.27mm"
  rect 1.4x1.4 hole 0.89: 1(4.445,-4.355)
  round 1.4 hole 0.89: 2(3.175,-6.895) 3(1.905,-4.355) 4(0.635,-6.895) 5(-0.635,-4.355) 6(-1.905,-6.895) 7(-3.175,-4.355) 8(-4.445,-6.895)
  round 1.55 hole 1.02: 9(6.325,6.895) 10(3.785,5.375) 11(-3.785,6.895) 12(-6.325,5.375)
  round 2.95 hole 3.25: MH1(5.715,1.995) MH2(-5.715,1.995)
  round 2.1 hole 1.6: S1(7.875,-1.055) S2(-7.875,-1.055)
  silkscreen extent -8.13,-8.81 8.13,9, body extent -8.13,-8.81 8.13,12.78, height 13.84
LAN951x-JZX [mm] "LAN9513 or LAN9514 QFN, 64-Leads, Body 9.1x9.1mm, Pitch 0.5mm, Thermal Pad 7.3x7.3mm"
  rect 0.69x0.28 smd: 1(-4.31,3.75) 2(-4.31,3.25) 3(-4.31,2.75) 4(-4.31,2.25) 5(-4.31,1.75) 6(-4.31,1.25) 7(-4.31,0.75) 8(-4.31,0.25) 9(-4.31,-0.25) 10(-4.31,-0.75) 11(-4.31,-1.25) 12(-4.31,-1.75) 13(-4.31,-2.25) 14(-4.31,-2.75) 15(-4.31,-3.25) 16(-4.31,-3.75) 33(4.31,-3.75) 34(4.31,-3.25) 35(4.31,-2.75) 36(4.31,-2.25) 37(4.31,-1.75) 38(4.31,-1.25) 39(4.31,-0.75) 40(4.31,-0.25) 41(4.31,0.25) 42(4.31,0.75) 43(4.31,1.25) 44(4.31,1.75) 45(4.31,2.25) 46(4.31,2.75) 47(4.31,3.25) 48(4.31,3.75)
  rect 0.28x0.69 smd: 17(-3.75,-4.31) 18(-3.25,-4.31) 19(-2.75,-4.31) 20(-2.25,-4.31) 21(-1.75,-4.31) 22(-1.25,-4.31) 23(-0.75,-4.31) 24(-0.25,-4.31) 25(0.25,-4.31) 26(0.75,-4.31) 27(1.25,-4.31) 28(1.75,-4.31) 29(2.25,-4.31) 30(2.75,-4.31) 31(3.25,-4.31) 32(3.75,-4.31) 49(3.75,4.31) 50(3.25,4.31) 51(2.75,4.31) 52(2.25,4.31) 53(1.75,4.31) 54(1.25,4.31) 55(0.75,4.31) 56(0.25,4.31) 57(-0.25,4.31) 58(-0.75,4.31) 59(-1.25,4.31) 60(-1.75,4.31) 61(-2.25,4.31) 62(-2.75,4.31) 63(-3.25,4.31) 64(-3.75,4.31)
  rect 7.3x7.3 smd: 65(0,0)
  silkscreen extent -5.23,-4.55 4.55,4.55, body extent -4.55,-4.55 4.55,4.55, height 1
M50-1900005 [mil] "Shunt for 1.27mm headers"
  body extent -49,-30 49,30, height 177
MIC2026-1YM [mm] "SOIC, 8-Leads, Body 5x4mm, Pitch 1.27mm, IPC High Density"
  oval 1.25x0.55 smd: 1(-2.625,1.905) 2(-2.625,0.635) 3(-2.625,-0.635) 4(-2.625,-1.905) 5(2.625,-1.905) 6(2.625,-0.635) 7(2.625,0.635) 8(2.625,1.905)
  silkscreen extent -2.75,-2.5 1.6,2.85, body extent -3,-2.5 3,2.5, height 1.73
MOUNTING_HOLE_M2.5 [mm] "2.7mm dia hole, 5.5mm dia ring"
  round 5.5 / inner round 3 / far side round 5.5 hole 2.75: 1(0,0)
NC7WZ16P6X [mm] "NC7WZ07P6X - SOT23, 6-Leads, Body 2.00x2.10mm, Pitch 0.65mm, IPC Medium Density"
  rect 0.9x0.4 smd: 1(-0.95,0.65) 2(-0.95,0) 3(-0.95,-0.65) 4(0.95,-0.65) 5(0.95,0) 6(0.95,0.65)
  silkscreen extent -0.97,-1.1 0.3,1.23, body extent -0.67,-1.1 0.67,1.1, height 1.1
PJ-036AH-SMT [mm] "2.0 x 6.3 mm, 5.0 A, Horizontal, Surface Mount (SMT), Dc Power Jack Connector"
  rect 4.4x3.3 smd: 1(6.375,-0.65)
  rect 6.2x3.9 smd: 2(-2.575,6.45) 3(-2.575,-6.45)
  round 2 hole 2 unplated: ""(-6.375,0)
  silkscreen extent -7,-4.5 9.93,4.5, body extent -9.37,-7.6 7.73,7.6, height 11.05
PMS150C-U06 [mm] "SOT23-6 60mil"
  rrect17% 1x0.6 smd: 1(-1.375,0.95) 2(-1.375,0) 3(-1.375,-0.95) 4(1.375,-0.95) 5(1.375,0) 6(1.375,0.95)
  silkscreen extent -1.52,-1.55 0.5,1.82, body extent -1.42,-1.46 1.42,1.46, height 1.11
RE1C002UNTCL [mm] "ROHM SOT-416FL"
  rect 0.3x0.71 smd: 1(-0.5,-0.61) 2(0.5,-0.61) 3(0,0.61)
  silkscreen extent -0.85,0.18 0.85,0.48, body extent -0.95,-1.06 0.95,1.06, height 0.25
RESC0402(1005)_N [mm] "Chip Resistor, Body 1.0x0.5mm, IPC Medium Density"
  rect 0.55x0.65 smd: 1(-0.5,0) 2(0.5,0)
  body extent -0.52,-0.27 0.53,0.28, height 0.4
RESC0603(1608)_N [mm] "Chip Resistor, Body 1.6x0.8mm, IPC Medium Density"
  rect 0.9x1 smd: 1(-0.8,0) 2(0.8,0)
  silkscreen extent -0.05,-0.4 0.05,0.4, body extent -0.85,-0.47 0.85,0.47, height 0.6
SFW15R-2STE1LF [mm] "RPi Cam 15pin 2 lane MIPI top contact"
  rect 0.6x2 smd: P1(-7,0.5) P2(-6,0.5) P3(-5,0.5) P4(-4,0.5) P5(-3,0.5) P6(-2,0.5) P7(-1,0.5) P8(0,0.5) P9(1,0.5) P10(2,0.5) P11(3,0.5) P12(4,0.5) P13(5,0.5) P14(6,0.5) P15(7,0.5)
  rect 0.6x4.2 smd: S1(-8,-1.5) S2(8,-1.5)
  Top Copper keep-out region: -10.4,-5.5 10.4,-5.5 10.4,-9.5 -10.4,-9.5
  body extent -10.4,-5.5 10.4,1, height 2.7